# KiCad board SparkFun_NEO-F10N_panelized.kicad_pcb (continued)
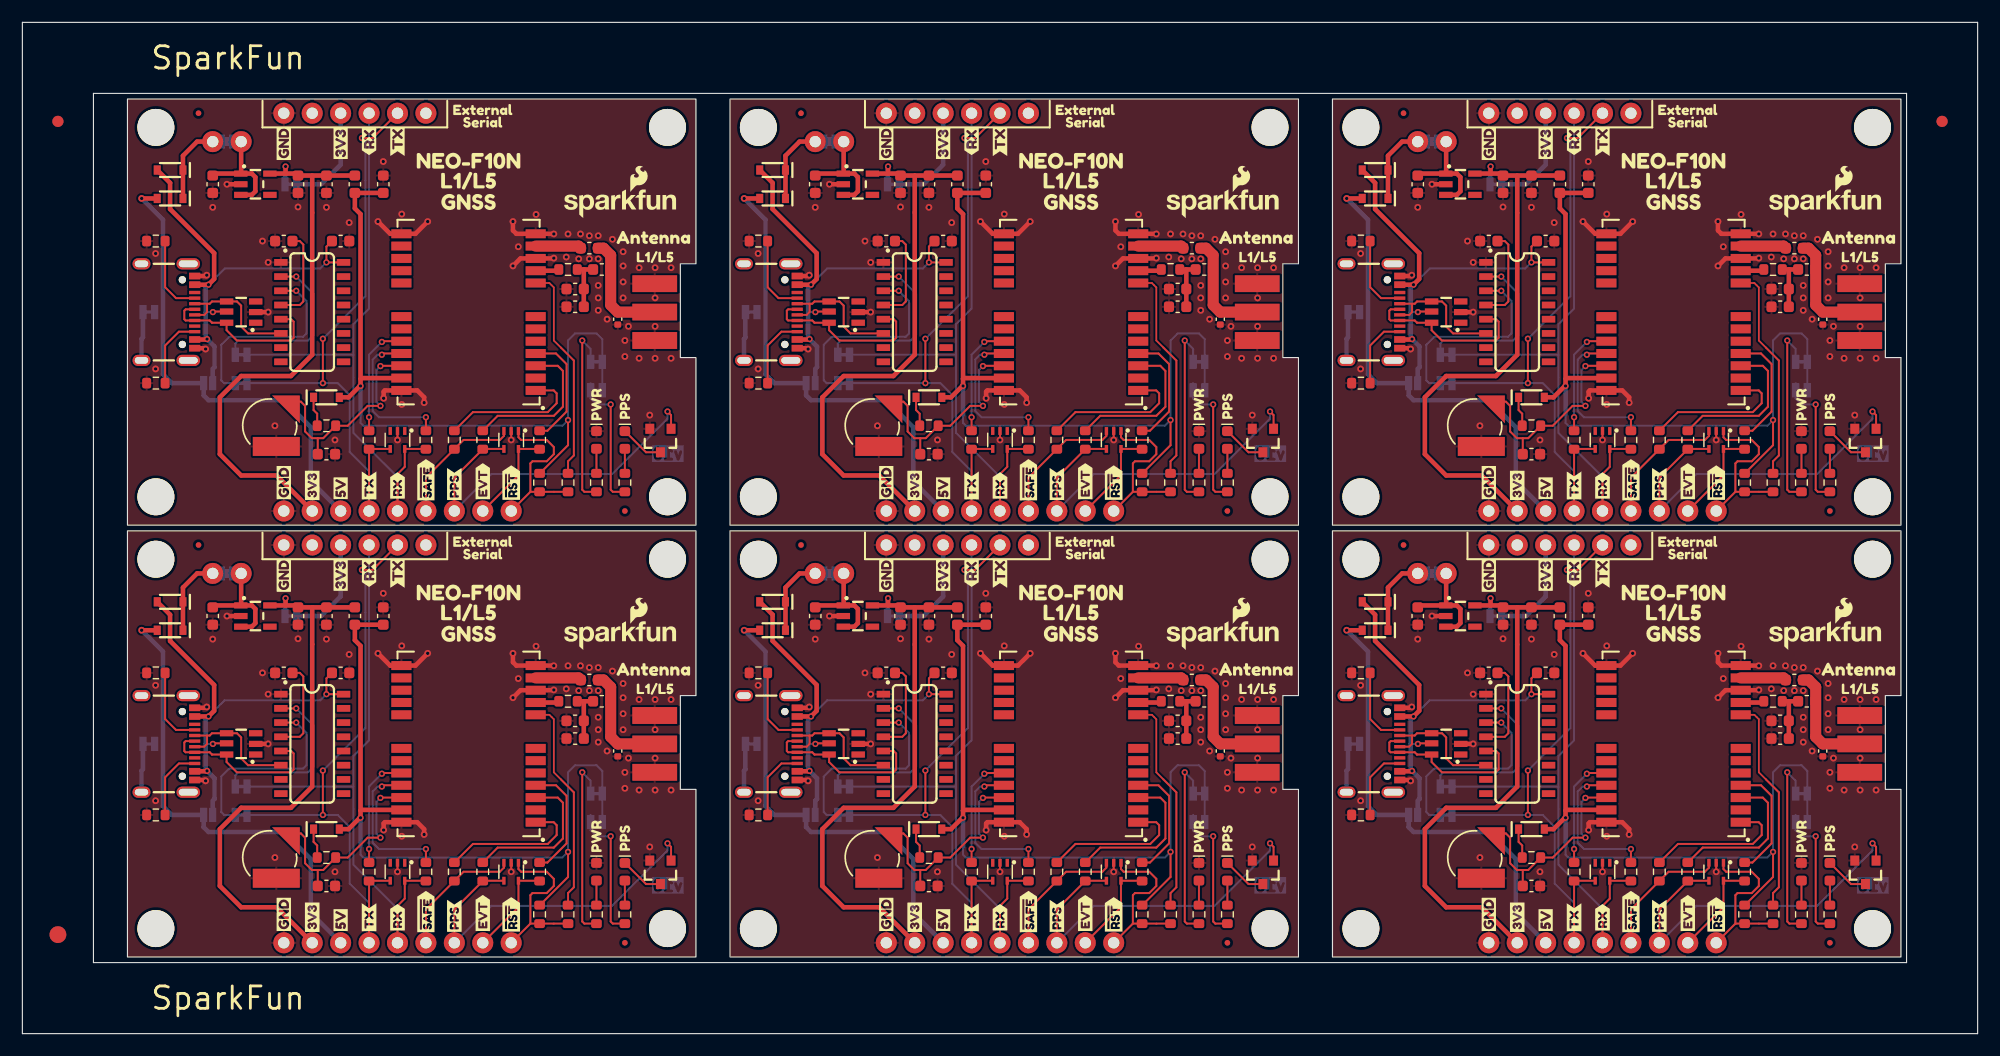
[diagram p0: board, top side]
## Nets (continued)
GND: BT1.- BT1#2.- BT1#3.- BT1#4.- BT1#5.- BT1#6.- C1.2 C1#2.2 C1#3.2 C1#4.2 C1#5.2 C1#6.2 C2.2 C2#2.2 C2#3.2 C2#4.2 C2#5.2 C2#6.2 C3.2 C3#2.2 C3#3.2 C3#4.2 C3#5.2 C3#6.2 C4.2 C4#2.2 C4#3.2 C4#4.2 C4#5.2 C4#6.2 C6.2 C6#2.2 C6#3.2 C6#4.2 C6#5.2 C6#6.2 C8.2 C8#2.2 C8#3.2 C8#4.2 C8#5.2 C8#6.2 C12.2 C12#2.2 C12#3.2 C12#4.2 C12#5.2 C12#6.2 C13.2 C13#2.2 C13#3.2 C13#4.2 C13#5.2 C13#6.2 C16.2 C16#2.2 C16#3.2 C16#4.2 C16#5.2 C16#6.2 D1.1 D1#2.1 D1#3.1 D1#4.1 D1#5.1 D1#6.1 D2.2 D2#2.2 D2#3.2 D2#4.2 D2#5.2 D2#6.2 D3.2 D3#2.2 D3#3.2 D3#4.2 D3#5.2 D3#6.2 D6.1 D6#2.1 D6#3.1 D6#4.1 D6#5.1 D6#6.1 J1.GND J1#2.GND J1#3.GND J1#4.GND J1#5.GND J1#6.GND J2.9 J2#2.9 J2#3.9 J2#4.9 J2#5.9 J2#6.9 J4.6 J4#2.6 J4#3.6 J4#4.6 J4#5.6 J4#6.6 J5.1 J5.2 J5.3 J5.4 J5#2.1 J5#2.2 J5#2.3 J5#2.4 J5#3.1 J5#3.2 J5#3.3 J5#3.4 J5#4.1 J5#4.2 J5#4.3 J5#4.4 J5#5.1 J5#5.2 J5#5.3 J5#5.4 J5#6.1 J5#6.2 J5#6.3 J5#6.4 JP7.1 JP7#2.1 JP7#3.1 JP7#4.1 JP7#5.1 JP7#6.1 Q1.2 Q1#2.2 Q1#3.2 Q1#4.2 Q1#5.2 Q1#6.2 R1.2 R1#2.2 R1#3.2 R1#4.2 R1#5.2 R1#6.2 R2.2 R2#2.2 R2#3.2 R2#4.2 R2#5.2 R2#6.2 U1.2 U1#2.2 U1#3.2 U1#4.2 U1#5.2 U1#6.2 U2.2 U2#2.2 U2#3.2 U2#4.2 U2#5.2 U2#6.2 U3.10 U3.12 U3.13 U3.24 U3#2.10 U3#2.12 U3#2.13 U3#2.24 U3#3.10 U3#3.12 U3#3.13 U3#3.24 U3#4.10 U3#4.12 U3#4.13 U3#4.24 U3#5.10 U3#5.12 U3#5.13 U3#5.24 U3#6.10 U3#6.12 U3#6.13 U3#6.24 U8.1 U8#2.1 U8#3.1 U8#4.1 U8#5.1 U8#6.1
VBUS: C12.1 C12#2.1 C12#3.1 C12#4.1 C12#5.1 C12#6.1 D7.A D7#2.A D7#3.A D7#4.A D7#5.A D7#6.A J1.VBUS J1#2.VBUS J1#3.VBUS J1#4.VBUS J1#5.VBUS J1#6.VBUS JP6.2 JP6#2.2 JP6#3.2 JP6#4.2 JP6#5.2 JP6#6.2 U1.5 U1#2.5 U1#3.5 U1#4.5 U1#5.5 U1#6.5 U8.16 U8#2.16 U8#3.16 U8#4.16 U8#5.16 U8#6.16
VCC: C1.1 C1#2.1 C1#3.1 C1#4.1 C1#5.1 C1#6.1 JP5.2 JP5#2.2 JP5#3.2 JP5#4.2 JP5#5.2 JP5#6.2 U2.1 U2.3 U2#2.1 U2#2.3 U2#3.1 U2#3.3 U2#4.1 U2#4.3 U2#5.1 U2#5.3 U2#6.1 U2#6.3
VCC_RF: R3.2 R3#2.2 R3#3.2 R3#4.2 R3#5.2 R3#6.2 U3.9 U3#2.9 U3#3.9 U3#4.9 U3#5.9 U3#6.9
/D+: J1.A6 J1.B6 J1#2.A6 J1#2.B6 J1#3.A6 J1#3.B6 J1#4.A6 J1#4.B6 J1#5.A6 J1#5.B6 J1#6.A6 J1#6.B6 U1.6 U1#2.6 U1#3.6 U1#4.6 U1#5.6 U1#6.6 U8.5 U8#2.5 U8#3.5 U8#4.5 U8#5.5 U8#6.5
/D-: J1.A7 J1.B7 J1#2.A7 J1#2.B7 J1#3.A7 J1#3.B7 J1#4.A7 J1#4.B7 J1#5.A7 J1#5.B7 J1#6.A7 J1#6.B7 U1.4 U1#2.4 U1#3.4 U1#4.4 U1#5.4 U1#6.4 U8.6 U8#2.6 U8#3.6 U8#4.6 U8#5.6 U8#6.6
ANT_IN: C7.2 C7#2.2 C7#3.2 C7#4.2 C7#5.2 C7#6.2 U3.11 U3#2.11 U3#3.11 U3#4.11 U3#5.11 U3#6.11
EVENT: D3.5 D3#2.5 D3#3.5 D3#4.5 D3#5.5 D3#6.5 J2.2 J2#2.2 J2#3.2 J2#4.2 J2#5.2 J2#6.2 R31.2 R31#2.2 R31#3.2 R31#4.2 R31#5.2 R31#6.2
PPS: D3.4 D3#2.4 D3#3.4 D3#4.4 D3#5.4 D3#6.4 J2.3 J2#2.3 J2#3.3 J2#4.3 J2#5.3 J2#6.3 Q1.1 Q1#2.1 Q1#3.1 Q1#4.1 Q1#5.1 Q1#6.1 R30.2 R30#2.2 R30#3.2 R30#4.2 R30#5.2 R30#6.2
RXD: D2.5 D2#2.5 D2#3.5 D2#4.5 D2#5.5 D2#6.5 J2.5 J2#2.5 J2#3.5 J2#4.5 J2#5.5 J2#6.5 J4.3 J4#2.3 J4#3.3 J4#4.3 J4#5.3 J4#6.3 JP1.2 JP1#2.2 JP1#3.2 JP1#4.2 JP1#5.2 JP1#6.2 R16.2 R16#2.2 R16#3.2 R16#4.2 R16#5.2 R16#6.2
TXD: D2.4 D2#2.4 D2#3.4 D2#4.4 D2#5.4 D2#6.4 J2.6 J2#2.6 J2#3.6 J2#4.6 J2#5.6 J2#6.6 J4.2 J4#2.2 J4#3.2 J4#4.2 J4#5.2 J4#6.2 JP4.2 JP4#2.2 JP4#3.2 JP4#4.2 JP4#5.2 JP4#6.2 R15.2 R15#2.2 R15#3.2 R15#4.2 R15#5.2 R15#6.2
V_BCKP: BT1.+ BT1#2.+ BT1#3.+ BT1#4.+ BT1#5.+ BT1#6.+ C3.1 C3#2.1 C3#3.1 C3#4.1 C3#5.1 C3#6.1 R7.2 R7#2.2 R7#3.2 R7#4.2 R7#5.2 R7#6.2 U3.22 U3#2.22 U3#3.22 U3#4.22 U3#5.22 U3#6.22
~{RESET}: D3.1 D3#2.1 D3#3.1 D3#4.1 D3#5.1 D3#6.1 J2.1 J2#2.1 J2#3.1 J2#4.1 J2#5.1 J2#6.1 R12.2 R12#2.2 R12#3.2 R12#4.2 R12#5.2 R12#6.2 R34.1 R34#2.1 R34#3.1 R34#4.1 R34#5.1 R34#6.1
~{SAFEBOOT}: D3.3 D3#2.3 D3#3.3 D3#4.3 D3#5.3 D3#6.3 J2.4 J2#2.4 J2#3.4 J2#4.4 J2#5.4 J2#6.4 R29.2 R29#2.2 R29#3.2 R29#4.2 R29#5.2 R29#6.2
Net-(C4-Pad1): C4.1 C4#2.1 C4#3.1 C4#4.1 C4#5.1 C4#6.1 C6.1 C6#2.1 C6#3.1 C6#4.1 C6#5.1 C6#6.1 L1.1 L1#2.1 L1#3.1 L1#4.1 L1#5.1 L1#6.1 R3.1 R3#2.1 R3#3.1 R3#4.1 R3#5.1 R3#6.1
Net-(D1-A): D1.2 D1#2.2 D1#3.2 D1#4.2 D1#5.2 D1#6.2 R4.2 R4#2.2 R4#3.2 R4#4.2 R4#5.2 R4#6.2
Net-(D4-A): D4.2 D4#2.2 D4#3.2 D4#4.2 D4#5.2 D4#6.2 R5.2 R5#2.2 R5#3.2 R5#4.2 R5#5.2 R5#6.2
Net-(D4-K): D4.1 D4#2.1 D4#3.1 D4#4.1 D4#5.1 D4#6.1 Q1.3 Q1#2.3 Q1#3.3 Q1#4.3 Q1#5.3 Q1#6.3
Net-(D5-PadC): D5.C D5#2.C D5#3.C D5#4.C D5#5.C D5#6.C R7.1 R7#2.1 R7#3.1 R7#4.1 R7#5.1 R7#6.1
Net-(D6-A2): C7.1 C7#2.1 C7#3.1 C7#4.1 C7#5.1 C7#6.1 D6.2 D6#2.2 D6#3.2 D6#4.2 D6#5.2 D6#6.2 J5.SIG J5#2.SIG J5#3.SIG J5#4.SIG J5#5.SIG J5#6.SIG L1.2 L1#2.2 L1#3.2 L1#4.2 L1#5.2 L1#6.2
Net-(J1-CC1): J1.A5 J1#2.A5 J1#3.A5 J1#4.A5 J1#5.A5 J1#6.A5 R2.1 R2#2.1 R2#3.1 R2#4.1 R2#5.1 R2#6.1
Net-(J1-CC2): J1.B5 J1#2.B5 J1#3.B5 J1#4.B5 J1#5.B5 J1#6.B5 R1.1 R1#2.1 R1#3.1 R1#4.1 R1#5.1 R1#6.1
Net-(J1-SHIELD): J1.S J1#2.S J1#3.S J1#4.S J1#5.S J1#6.S JP7.2 JP7#2.2 JP7#3.2 JP7#4.2 JP7#5.2 JP7#6.2
Net-(J4-Pin_4): J4.4 J4#2.4 J4#3.4 J4#4.4 J4#5.4 J4#6.4 JP8.1 JP8#2.1 JP8#3.1 JP8#4.1 JP8#5.1 JP8#6.1
Net-(JP1-A): JP1.1 JP1#2.1 JP1#3.1 JP1#4.1 JP1#5.1 JP1#6.1 U8.2 U8#2.2 U8#3.2 U8#4.2 U8#5.2 U8#6.2
Net-(JP2-A): JP2.1 JP2#2.1 JP2#3.1 JP2#4.1 JP2#5.1 JP2#6.1 R4.1 R4#2.1 R4#3.1 R4#4.1 R4#5.1 R4#6.1
Net-(JP3-A): JP3.1 JP3#2.1 JP3#3.1 JP3#4.1 JP3#5.1 JP3#6.1 R5.1 R5#2.1 R5#3.1 R5#4.1 R5#5.1 R5#6.1
Net-(JP4-A): JP4.1 JP4#2.1 JP4#3.1 JP4#4.1 JP4#5.1 JP4#6.1 U8.3 U8#2.3 U8#3.3 U8#4.3 U8#5.3 U8#6.3
Net-(JP5-A): D7.C D7#2.C D7#3.C D7#4.C D7#5.C D7#6.C D8.C D8#2.C D8#3.C D8#4.C D8#5.C D8#6.C JP5.1 JP5#2.1 JP5#3.1 JP5#4.1 JP5#5.1 JP5#6.1
Net-(U3-EXTINT): R31.1 R31#2.1 R31#3.1 R31#4.1 R31#5.1 R31#6.1 U3.4 U3#2.4 U3#3.4 U3#4.4 U3#5.4 U3#6.4
Net-(U3-RXD): R16.1 R16#2.1 R16#3.1 R16#4.1 R16#5.1 R16#6.1 U3.21 U3#2.21 U3#3.21 U3#4.21 U3#5.21 U3#6.21
Net-(U3-TIMEPULSE): R30.1 R30#2.1 R30#3.1 R30#4.1 R30#5.1 R30#6.1 U3.3 U3#2.3 U3#3.3 U3#4.3 U3#5.3 U3#6.3
Net-(U3-TXD): R15.1 R15#2.1 R15#3.1 R15#4.1 R15#5.1 R15#6.1 U3.20 U3#2.20 U3#3.20 U3#4.20 U3#5.20 U3#6.20
Net-(U3-~{RESET}): R34.2 R34#2.2 R34#3.2 R34#4.2 R34#5.2 R34#6.2 U3.8 U3#2.8 U3#3.8 U3#4.8 U3#5.8 U3#6.8
Net-(U3-~{SAFEBOOT}): R29.1 R29#2.1 R29#3.1 R29#4.1 R29#5.1 R29#6.1 U3.1 U3#2.1 U3#3.1 U3#4.1 U3#5.1 U3#6.1

Pads without a net: D2 1 3; D2#2 1 3; D2#3 1 3; D2#4 1 3; D2#5 1 3; D2#6 1 3; J1 A8 B8 NC1 NC2 NC3; J1#2 A8 B8 NC1 NC2 NC3; J1#3 A8 B8 NC1 NC2 NC3; J1#4 A8 B8 NC1 NC2 NC3; J1#5 A8 B8 NC1 NC2 NC3; J1#6 A8 B8 NC1 NC2 NC3; J4 1 5; J4#2 1 5; J4#3 1 5; J4#4 1 5; J4#5 1 5; J4#6 1 5; U1 1 3; U1#2 1 3; U1#3 1 3; U1#4 1 3; U1#5 1 3; U1#6 1 3; U2 4; U2#2 4; U2#3 4; U2#4 4; U2#5 4; U2#6 4; U3 2 5 6 7 14 15 16 17 18 19; U3#2 2 5 6 7 14 15 16 17 18 19; U3#3 2 5 6 7 14 15 16 17 18 19; U3#4 2 5 6 7 14 15 16 17 18 19; U3#5 2 5 6 7 14 15 16 17 18 19; U3#6 2 5 6 7 14 15 16 17 18 19; U8 7 8 9 10 11 12 13 14 15; U8#2 7 8 9 10 11 12 13 14 15; U8#3 7 8 9 10 11 12 13 14 15; U8#4 7 8 9 10 11 12 13 14 15; U8#5 7 8 9 10 11 12 13 14 15; U8#6 7 8 9 10 11 12 13 14 15

## Via types
v1: diameter 0.61, hole 0.305, Top to Bottom, 354 vias
v2: diameter 0.56, hole 0.3, Top to Bottom, 126 vias

## Routing (per net, layer and track width the routed paths; a pad name or vN(x,y) marks a point on that pad's centre or on a via; arc(x,y) is an arc through that point)
3.3V: length 307.2
  Top w0.406: 133.58,38.11 C8.1 L2#5.1 ; 133.58,38.11 C2#3.1 132.13,38.28 131.2,38.28 ; 133.58,38.11 133.58,22.09 131.67,20.19 127.23,20.19 125.32,18.28 125.32,13.2 127.23,11.29 130.4,11.29 J2#6.8 ; 79.74,38.11 79.74,22.09 77.83,20.19 73.39,20.19 71.48,18.28 71.48,13.2 73.39,11.29 76.56,11.29 J2#5.8 ; 79.74,38.11 C2#5.1 78.29,38.28 77.36,38.28 ; 79.74,38.11 C8#4.1 L2#3.1 ; 77.36,76.88 78.29,76.88 C2#6.1 79.74,76.7 ; 77.36,76.88 U2#3.5 ; 77.36,76.88 v2(77.36,77.52) ; 25.9,38.11 C8#6.1 L2.1 ; 25.9,38.11 25.9,22.09 23.99,20.19 19.55,20.19 17.64,18.28 17.64,13.2 19.55,11.29 22.72,11.29 J2.8 ; 25.9,38.11 C2.1 24.45,38.28 23.52,38.28 ; 23.52,76.88 24.45,76.88 C2#2.1 25.9,76.7 ; 23.52,76.88 U2#4.5 ; 23.52,76.88 v2(23.52,77.52) ; J2#3.8 130.4,49.89 127.23,49.89 125.32,51.8 125.32,56.88 127.23,58.78 131.67,58.78 133.58,60.69 133.58,76.7 ; 23.52,38.28 U2#6.5 ; 23.52,38.28 v2(23.52,38.92) ; v2(131.2,77.52) 131.2,76.88 ; 131.2,76.88 132.13,76.88 C2#4.1 133.58,76.7 ; 131.2,76.88 U2#5.5 ; 79.74,76.7 79.74,60.69 77.83,58.78 73.39,58.78 71.48,56.88 71.48,51.8 73.39,49.89 76.56,49.89 J2#2.8 ; 79.74,76.7 C8#2.1 L2#4.1 ; v2(131.2,38.92) 131.2,38.28 ; 131.2,38.28 U2#2.5 ; L2#6.1 C8#5.1 133.58,76.7 ; v2(77.36,38.92) 77.36,38.28 ; 77.36,38.28 U2.5 ; 25.9,76.7 C8#3.1 L2#2.1 ; 25.9,76.7 25.9,60.69 23.99,58.78 19.55,58.78 17.64,56.88 17.64,51.8 19.55,49.89 22.72,49.89 J2#4.8
  Bottom w0.406: v2(77.36,38.92) 77.31,38.87 JP8#2.2 ; v2(131.2,77.52) 131.15,77.47 JP8#3.2 ; JP8#4.2 77.31,77.47 v2(77.36,77.52) ; v2(131.2,38.92) 131.15,38.87 JP8#5.2 ; v2(23.52,38.92) 23.47,38.87 JP8#6.2 ; JP8.2 23.47,77.47 v2(23.52,77.52)
3.3V_A: length 411.4
  Top w0.178: 153.9,11.49 153.92,11.49 156.44,14 v2(156.44,16.25) ; v2(48.76,16.25) 48.76,14 46.24,11.49 46.22,11.49 ; R12#5.1 100.08,50.08 102.6,52.6 v2(102.6,54.85) ; v2(48.76,54.85) 48.76,52.6 46.24,50.08 R12#6.1 ; 100.06,11.49 100.08,11.49 102.6,14 v2(102.6,16.25) ; R12#2.1 153.92,50.08 156.44,52.6 v2(156.44,54.85)
  Top w0.406: 30.22,58.53 30.29,58.6 U3#2.23 ; 30.22,58.53 30.22,73.26 29.71,73.77 L2#2.2 C16#5.1 ; 30.22,58.53 v2(30.22,57.9) 30.15,57.9 29.14,56.88 D5#4.A ; 84.06,19.93 v2(84.06,19.3) 83.99,19.3 82.98,18.28 D5#6.A ; 84.06,19.93 84.06,34.66 83.55,35.17 L2#3.2 C16#4.1 ; 84.06,19.93 84.13,20 U3.23 ; C16.1 L2#4.2 83.55,73.77 84.06,73.26 84.06,58.53 ; 30.22,19.93 30.29,20 U3#6.23 ; 30.22,19.93 v2(30.22,19.3) 30.15,19.3 29.14,18.28 D5.A ; 30.22,19.93 30.22,34.66 29.71,35.17 L2.2 C16#6.1 ; U3#3.23 84.13,58.6 84.06,58.53 ; 137.9,19.93 137.9,34.66 137.39,35.17 L2#5.2 C16#2.1 ; 137.9,19.93 v2(137.9,19.3) 137.83,19.3 136.82,18.28 D5#3.A ; 137.9,19.93 137.97,20 U3#4.23 ; 84.06,58.53 v2(84.06,57.9) 83.99,57.9 82.98,56.88 D5#2.A ; 137.9,58.53 v2(137.9,57.9) 137.83,57.9 136.82,56.88 D5#5.A ; 137.9,58.53 137.97,58.6 U3#5.23 ; 137.9,58.53 137.9,73.26 137.39,73.77 L2#6.2 C16#3.1
  Bottom w0.178: 51.82,19.55 51.82,23.47 51.3,24 49.39,24 48.76,23.36 v2(48.76,16.25) 48.25,15.74 30.47,15.74 30.22,15.99 30.22,16.76 ; 137.9,55.36 137.9,54.59 138.15,54.34 155.93,54.34 v2(156.44,54.85) 156.44,61.96 157.07,62.59 158.98,62.59 159.5,62.07 159.5,58.15 ; 84.06,16.76 84.06,15.99 84.31,15.74 102.09,15.74 v2(102.6,16.25) 102.6,23.36 103.23,24 105.14,24 105.66,23.47 105.66,19.55 ; 84.06,55.36 84.06,54.59 84.31,54.34 102.09,54.34 v2(102.6,54.85) 102.6,61.96 103.23,62.59 105.14,62.59 105.66,62.07 105.66,58.15 ; 51.82,58.15 51.82,62.07 51.3,62.59 49.39,62.59 48.76,61.96 v2(48.76,54.85) 48.25,54.34 30.47,54.34 30.22,54.59 30.22,55.36 ; 159.5,19.55 159.5,23.47 158.98,24 157.07,24 156.44,23.36 v2(156.44,16.25) 155.93,15.74 138.15,15.74 137.9,15.99 137.9,16.76
  Bottom w0.406: v2(84.06,19.3) 84.06,16.76 ; v2(137.9,19.3) 137.9,16.76 ; v2(137.9,57.9) 137.9,55.36 ; v2(84.06,57.9) 84.06,55.36 ; v2(30.22,57.9) 30.22,55.36 ; v2(30.22,19.3) 30.22,16.76
3.3V_P: length 49.9
  Top w0.178: C13#4.1 132.47,70.85 132.79,70.53 132.79,65.45 132.47,65.14 U8.4 ; U8#3.4 132.47,26.53 132.79,26.85 132.79,31.93 132.47,32.25 C13#5.1 ; U8#5.4 24.79,65.14 25.11,65.45 25.11,70.53 24.79,70.85 C13#3.1 ; U8#2.4 78.63,65.14 78.95,65.45 78.95,70.53 78.63,70.85 C13.1 ; C13#2.1 78.63,32.25 78.95,31.93 78.95,26.85 78.63,26.53 U8#4.4 ; C13#6.1 24.79,32.25 25.11,31.93 25.11,26.85 24.79,26.53 U8#6.4
5V: length 253.8
  Top w0.406: D8#2.A v1(64.5,36.06) ; D8#4.A v1(118.34,36.06) ; D8#3.A v1(64.5,74.66) ; D8.A v1(10.66,74.66) ; D8#6.A v1(10.66,36.06) ; D8#5.A v1(118.34,74.66)
  Bottom w0.406: J2#4.7 25.77,49.39 25.77,54.21 23.36,56.63 16.63,56.63 16.2,57.06 JP6.1 13.36,58.15 12.56,58.94 12.56,72.75 v1(10.66,74.66) ; v1(64.5,36.06) 66.4,34.16 66.4,20.34 67.2,19.55 JP6#3.1 70.04,18.46 70.47,18.03 77.2,18.03 79.61,15.61 79.61,10.79 J2#5.7 ; v1(118.34,36.06) 120.24,34.16 120.24,20.34 121.04,19.55 JP6#5.1 123.88,18.46 124.31,18.03 131.04,18.03 133.45,15.61 133.45,10.79 J2#6.7 ; v1(10.66,36.06) 12.56,34.16 12.56,20.34 13.36,19.55 JP6#6.1 16.2,18.46 16.63,18.03 23.36,18.03 25.77,15.61 25.77,10.79 J2.7 ; v1(64.5,74.66) 66.4,72.75 66.4,58.94 67.2,58.15 JP6#4.1 70.04,57.06 70.47,56.63 77.2,56.63 79.61,54.21 79.61,49.39 J2#2.7 ; J2#3.7 133.45,49.39 133.45,54.21 131.04,56.63 124.31,56.63 123.88,57.06 JP6#2.1 121.04,58.15 120.24,58.94 120.24,72.75 v1(118.34,74.66)
GND: length 149.6
  Top w0.178: D2#4.2 v1(87.36,14.47) ; D3#5.2 v1(151.36,53.07) ; D3.2 v1(97.52,53.07) ; D3#6.2 v1(43.68,14.47) ; D2#3.2 v1(87.36,53.07) ; D2#2.2 v1(33.52,53.07) ; D2#5.2 v1(141.2,14.47) ; D3#2.2 v1(97.52,14.47) ; D3#4.2 v1(43.68,53.07) ; D2#6.2 v1(141.2,53.07) ; D2.2 v1(33.52,14.47) ; D3#3.2 v1(151.36,14.47)
  Top w0.406: J1#3.GND 70.14,61.28 v1(70.21,61.2) ; v1(43.84,34) 43.84,33.2 44.14,32.9 U3#6.12 47.47,32.9 v1(47.49,32.89) ; v1(35.9,17.8) 35.9,18.28 35.28,18.9 U3#6.24 32.39,18.9 32.28,18.79 v1(32.28,18.2) ; v1(36.22,72.6) 35.12,71.5 U3#2.13 32.87,71.5 v1(31.77,72.6) ; U2#5.2 v1(125.96,75.93) ; J1#6.GND 124.08,67.72 v1(124.16,67.8) ; v1(139.96,56.8) 139.96,57.39 140.07,57.5 U3#5.24 142.96,57.5 143.58,56.88 v1(143.58,56.4) ; v1(143.9,34) 142.8,32.9 U3#4.13 140.55,32.9 v1(139.45,34) ; v1(86.12,56.8) 86.12,57.39 86.23,57.5 U3#3.24 89.12,57.5 89.74,56.88 v1(89.74,56.4) ; U2#6.2 v1(18.28,37.33) ; v1(43.84,30.03) 44.51,30.7 U3#6.10 47.46,30.7 v1(47.49,30.73) ; U2.2 v1(72.12,37.33) ; J1#4.GND 124.08,29.12 v1(124.16,29.2) ; U2#4.2 v1(18.28,75.93) ; v1(101.33,71.48) 101.31,71.5 U3#3.12 97.98,71.5 97.68,71.8 v1(97.68,72.6) ; v1(85.61,72.6) 86.71,71.5 U3#3.13 88.96,71.5 v1(90.06,72.6) ; v1(151.52,72.6) 151.52,71.8 151.82,71.5 U3#5.12 155.15,71.5 v1(155.17,71.48) ; v1(101.33,69.33) 101.3,69.3 U3#3.10 98.35,69.3 v1(97.68,68.63) ; v1(32.28,56.8) 32.28,57.39 32.39,57.5 U3#2.24 35.28,57.5 35.9,56.88 v1(35.9,56.4) ; v1(97.68,34) 97.68,33.2 97.98,32.9 U3.12 101.31,32.9 v1(101.33,32.89) ; v1(90.06,34) 88.96,32.9 U3.13 86.71,32.9 v1(85.61,34) ; v1(139.96,18.2) 139.96,18.79 140.07,18.9 U3#4.24 142.96,18.9 143.58,18.28 v1(143.58,17.8) ; v1(16.48,29.2) 16.4,29.12 J1.GND ; v1(155.17,32.89) 155.15,32.9 U3#4.12 151.82,32.9 151.52,33.2 v1(151.52,34) ; v1(36.22,34) 35.12,32.9 U3#6.13 32.87,32.9 v1(31.77,34) ; U1#5.2 v1(129.64,25.9) ; v1(70.32,67.8) 70.24,67.72 J1#3.GND ; U1#3.2 v1(75.8,25.9) ; v1(155.17,69.33) 155.14,69.3 U3#5.10 152.19,69.3 v1(151.52,68.63) ; U2#2.2 v1(125.96,37.33) ; v1(101.33,30.73) 101.3,30.7 U3.10 98.35,30.7 v1(97.68,30.03) ; v1(47.49,71.48) 47.47,71.5 U3#2.12 44.14,71.5 43.84,71.8 v1(43.84,72.6) ; U1.2 v1(21.96,64.5) ; U1#4.2 v1(75.8,64.5) ; v1(16.37,61.2) 16.3,61.28 J1#5.GND ; v1(143.9,72.6) 142.8,71.5 U3#5.13 140.55,71.5 v1(139.45,72.6) ; v1(16.37,22.6) 16.3,22.68 J1.GND ; v1(151.52,30.03) 152.19,30.7 U3#4.10 155.14,30.7 v1(155.17,30.73) ; v1(70.32,29.2) 70.24,29.12 J1#2.GND ; J1#2.GND 70.14,22.68 v1(70.21,22.6) ; v1(124.05,61.2) 123.98,61.28 J1#6.GND ; v1(43.84,68.63) 44.51,69.3 U3#2.10 47.46,69.3 v1(47.49,69.33) ; J1#5.GND 16.4,67.72 v1(16.48,67.8) ; J1#4.GND 123.98,22.68 v1(124.05,22.6) ; U2#3.2 v1(72.12,75.93) ; v1(86.12,18.2) 86.12,18.79 86.23,18.9 U3.24 89.12,18.9 89.74,18.28 v1(89.74,17.8) ; U1#6.2 v1(21.96,25.9) ; U1#2.2 v1(129.64,64.5)
  vias: v1(11.9,69.74) v1(11.9,59.42) v1(11.9,31.14) v1(11.9,20.82) v1(17.01,73.87) v1(17.01,35.27) v1(21.45,70.85) v1(21.45,32.25) v1(21.96,68.94) v1(21.96,30.34) v1(22.57,54.34) v1(22.57,15.74) v1(24.63,73.9) v1(24.63,35.3) v1(27.17,73.87) v1(27.17,35.27) v1(27.93,53.07) v1(27.93,14.47) v1(29.2,72.5) v1(29.2,33.9) v1(32.25,77.96) v1(32.25,39.36) v1(33.9,73.26) v1(33.9,56.25) v1(33.9,34.66) v1(33.9,17.65) v1(44.31,70.34) v1(44.31,31.74) v1(45.9,73.23) v1(45.9,34.63) v1(48.6,69.42) v1(48.6,30.82) v1(48.76,71.48) v1(48.76,32.89) v1(49.71,69.26) v1(49.71,30.66) v1(49.87,71.48) v1(49.87,32.89) v1(50.66,71.33) v1(50.66,69.26) v1(50.66,32.73) v1(50.66,30.66) v1(51.46,71.33) v1(51.46,69.26) v1(51.46,66.88) v1(51.46,65.77) v1(51.46,64.66) v1(51.46,32.73) v1(51.46,30.66) v1(51.46,28.28) v1(51.46,27.17) v1(51.46,26.06) v1(52.25,63.86) v1(52.25,25.26) v1(52.73,71.01) v1(52.73,32.41) v1(53.68,69.9) v1(53.68,68.63) v1(53.68,67.2) v1(53.68,65.77) v1(53.68,31.3) v1(53.68,30.03) v1(53.68,28.6) v1(53.68,27.17) v1(53.84,61.96) v1(53.84,60.53) v1(53.84,23.36) v1(53.84,21.93) v1(54.16,63.23) v1(54.16,24.63) v1(55.11,68.47) v1(55.11,60.37) v1(55.11,29.87) v1(55.11,21.77) v1(56.06,55.29) v1(56.06,16.69) v1(56.54,68.47) v1(56.54,65.77) v1(56.54,63.23) v1(56.54,60.37) v1(56.54,29.87) v1(56.54,27.17) v1(56.54,24.63) v1(56.54,21.77) v1(57.97,68.47) v1(57.97,60.37) v1(57.97,29.87) v1(57.97,21.77) v1(65.74,69.74) v1(65.74,59.42) v1(65.74,31.14) v1(65.74,20.82) v1(70.85,73.87) v1(70.85,35.27) v1(75.29,70.85) v1(75.29,32.25) v1(75.8,68.94) v1(75.8,30.34) v1(76.41,54.34) v1(76.41,15.74) v1(78.47,73.9) v1(78.47,35.3) v1(81.01,73.87) v1(81.01,35.27) v1(81.77,53.07) v1(81.77,14.47) v1(83.04,72.5) v1(83.04,33.9) v1(86.09,77.96) v1(86.09,39.36) v1(87.74,73.26) v1(87.74,56.25) v1(87.74,34.66) v1(87.74,17.65) v1(98.15,70.34) v1(98.15,31.74) v1(99.74,73.23) v1(99.74,34.63) v1(102.44,69.42) v1(102.44,30.82) v1(102.6,71.48) v1(102.6,32.89) v1(103.55,69.26) v1(103.55,30.66) v1(103.71,71.48) v1(103.71,32.89) v1(104.5,71.33) v1(104.5,69.26) v1(104.5,32.73) v1(104.5,30.66) v1(105.3,71.33) v1(105.3,69.26) v1(105.3,66.88) v1(105.3,65.77) v1(105.3,64.66) v1(105.3,32.73) v1(105.3,30.66) v1(105.3,28.28) v1(105.3,27.17) v1(105.3,26.06) v1(106.09,63.86) v1(106.09,25.26) v1(106.57,71.01) v1(106.57,32.41) v1(107.52,69.9) v1(107.52,68.63) v1(107.52,67.2) v1(107.52,65.77) v1(107.52,31.3) v1(107.52,30.03) v1(107.52,28.6) v1(107.52,27.17) v1(107.68,61.96) v1(107.68,60.53) v1(107.68,23.36) v1(107.68,21.93) v1(108,63.23) v1(108,24.63) v1(108.95,68.47) v1(108.95,60.37) v1(108.95,29.87) v1(108.95,21.77) v1(109.9,55.29) v1(109.9,16.69) v1(110.38,68.47) v1(110.38,65.77) v1(110.38,63.23) v1(110.38,60.37) v1(110.38,29.87) v1(110.38,27.17) v1(110.38,24.63) v1(110.38,21.77) v1(111.81,68.47) v1(111.81,60.37) v1(111.81,29.87) v1(111.81,21.77) v1(119.58,69.74) v1(119.58,59.42) v1(119.58,31.14) v1(119.58,20.82) v1(124.69,73.87) v1(124.69,35.27) v1(129.13,70.85) v1(129.13,32.25) v1(129.64,68.94) v1(129.64,30.34) v1(130.25,54.34) v1(130.25,15.74) v1(132.31,73.9) v1(132.31,35.3) v1(134.85,73.87) v1(134.85,35.27) v1(135.61,53.07) v1(135.61,14.47) v1(136.88,72.5) v1(136.88,33.9) v1(139.93,77.96) v1(139.93,39.36) v1(141.58,73.26) v1(141.58,56.25) v1(141.58,34.66) v1(141.58,17.65) v1(151.99,70.34) v1(151.99,31.74) v1(153.58,73.23) v1(153.58,34.63) v1(156.28,69.42) v1(156.28,30.82) v1(156.44,71.48) v1(156.44,32.89) v1(157.39,69.26) v1(157.39,30.66) v1(157.55,71.48) v1(157.55,32.89) v1(158.34,71.33) v1(158.34,69.26) v1(158.34,32.73) v1(158.34,30.66) v1(159.14,71.33) v1(159.14,69.26) v1(159.14,66.88) v1(159.14,65.77) v1(159.14,64.66) v1(159.14,32.73) v1(159.14,30.66) v1(159.14,28.28) v1(159.14,27.17) v1(159.14,26.06) v1(159.93,63.86) v1(159.93,25.26) v1(160.41,71.01) v1(160.41,32.41) v1(161.36,69.9) v1(161.36,68.63) v1(161.36,67.2) v1(161.36,65.77) v1(161.36,31.3) v1(161.36,30.03) v1(161.36,28.6) v1(161.36,27.17) v1(161.52,61.96) v1(161.52,60.53) v1(161.52,23.36) v1(161.52,21.93) v1(161.84,63.23) v1(161.84,24.63) v1(162.79,68.47) v1(162.79,60.37) v1(162.79,29.87) v1(162.79,21.77) v1(163.74,55.29) v1(163.74,16.69) v1(164.22,68.47) v1(164.22,65.77) v1(164.22,63.23) v1(164.22,60.37) v1(164.22,29.87) v1(164.22,27.17) v1(164.22,24.63) v1(164.22,21.77) v1(165.65,68.47) v1(165.65,60.37) v1(165.65,29.87) v1(165.65,21.77)
VBUS: length 246.7
  Top w0.178: U8#5.16 v2(27.17,68.94) 27.17,70.36 C12#5.1 ; U1#4.5 70.91,64.55 v2(70.86,64.5) ; v2(17.02,25.9) 17.07,25.95 U1#6.5 ; v2(17.02,64.5) 17.07,64.55 U1.5 ; C12#4.1 81.01,70.36 v2(81.01,68.94) U8#2.16 ; U8#3.16 v2(134.85,30.34) 134.85,31.75 C12.1 ; v2(70.86,25.9) 70.91,25.95 U1#3.5 ; U1#2.5 124.75,64.55 v2(124.7,64.5) ; U8#6.16 v2(27.17,30.34) 27.17,31.75 C12#6.1 ; C12#3.1 134.85,70.36 v2(134.85,68.94) U8.16 ; v2(124.7,25.9) 124.75,25.95 U1#5.5 ; U8#4.16 v2(81.01,30.34) 81.01,31.75 C12#2.1
  Top w0.406: J1#3.VBUS v2(70.47,66.95) 70.98,67.46 70.98,69.77 67.04,73.71 67.04,76.05 D7#6.A ; D7#2.A 120.88,37.45 120.88,35.11 124.82,31.17 124.82,28.86 v2(124.31,28.35) J1#4.VBUS ; J1.VBUS v2(16.63,28.35) 17.14,28.86 17.14,31.17 13.2,35.11 13.2,37.45 D7.A ; v2(16.5,62.09) 16.46,62.05 J1#5.VBUS ; J1#6.VBUS 124.14,62.05 v2(124.18,62.09) ; D7#3.A 67.04,37.45 67.04,35.11 70.98,31.17 70.98,28.86 v2(70.47,28.35) J1#2.VBUS ; v2(16.5,23.49) 16.46,23.45 J1.VBUS ; J1#5.VBUS v2(16.63,66.95) 17.14,67.46 17.14,69.77 13.2,73.71 13.2,76.05 D7#4.A ; J1#3.VBUS 70.3,62.05 v2(70.34,62.09) ; J1#6.VBUS v2(124.31,66.95) 124.82,67.46 124.82,69.77 120.88,73.71 120.88,76.05 D7#5.A ; J1#2.VBUS 70.3,23.45 v2(70.34,23.49) ; v2(124.18,23.49) 124.14,23.45 J1#4.VBUS
  Bottom w0.178: v2(124.31,28.35) 125.76,29.8 134.3,29.8 v2(134.85,30.34) ; v2(17.02,64.5) 16.37,64.5 ; v2(27.17,68.94) 26.62,68.4 18.08,68.4 v2(16.63,66.95) ; v2(124.31,66.95) 125.76,68.4 134.3,68.4 v2(134.85,68.94) ; v2(124.7,64.5) 124.05,64.5 ; v2(17.02,25.9) 16.37,25.9 ; v2(70.47,28.35) 71.92,29.8 80.46,29.8 v2(81.01,30.34) ; v2(70.47,66.95) 71.92,68.4 80.46,68.4 v2(81.01,68.94) ; v2(16.63,28.35) 18.08,29.8 26.62,29.8 v2(27.17,30.34) ; v2(124.7,25.9) 124.05,25.9 ; v2(70.86,25.9) 70.21,25.9 ; v2(70.86,64.5) 70.21,64.5
  Bottom w0.406: v2(70.47,66.95) 70.21,66.7 70.21,62.21 v2(70.34,62.09) 71.01,61.42 71.01,59.58 70.85,59.42 JP6#4.2 ; v2(124.31,66.95) 124.05,66.7 124.05,62.21 v2(124.18,62.09) 124.85,61.42 124.85,59.58 124.69,59.42 JP6#2.2 ; v2(16.63,28.35) 16.37,28.1 16.37,23.61 v2(16.5,23.49) 17.17,22.82 17.17,20.98 17.01,20.82 JP6#6.2 ; v2(124.31,28.35) 124.05,28.1 124.05,23.61 v2(124.18,23.49) 124.85,22.82 124.85,20.98 124.69,20.82 JP6#5.2 ; JP6.2 17.01,59.42 17.17,59.58 17.17,61.42 v2(16.5,62.09) 16.37,62.21 16.37,66.7 v2(16.63,66.95) ; v2(70.47,28.35) 70.21,28.1 70.21,23.61 v2(70.34,23.49) 71.01,22.82 71.01,20.98 70.85,20.82 JP6#3.2